# Altium PCB HDLab-v1.PcbDoc (part 1 of 2) (continued)
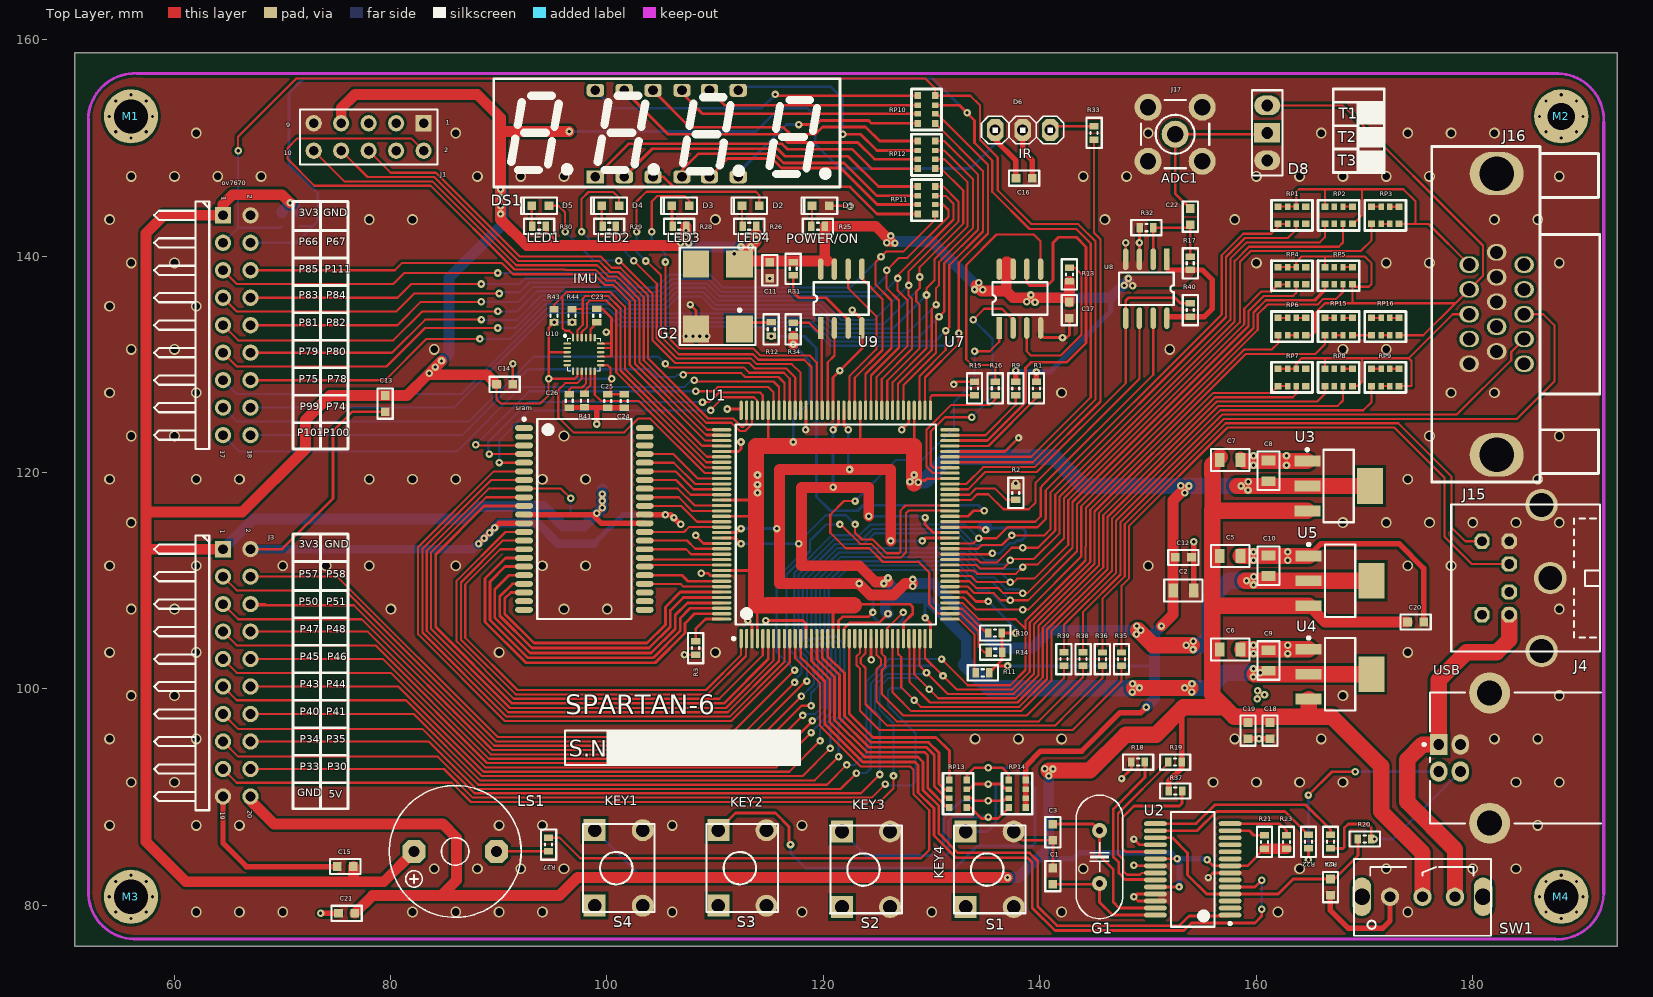
[diagram p0: Top Layer view]
## Nets (pads, with @x,y where several pads share a name; then routed paths per layer and width w, separated by ;. In a path a pad name is that pad's centre, name@x,y a point inside that pad or via, vN(x,y) a via of type N, cw(c..) or ccw(c..) an arc to the next point about the centre after c; other vN are vias at no path point)
+1.2V: C10.1 U1.19 U1.28 U1.52 U1.89 U1.128 U5.2 U5.4 | length 124.2
  Top Layer w0.2: U1.28@125.908,104.639 125.908,105.588 v1(127.381,107.061)
  Top Layer w0.254: U1.128@110.608,114.439 112.026,114.439 v1(112.395,114.808) ; U1.19@121.408,104.639 121.408,106.295 121.761,106.648 124.174,106.648 v1(124.587,107.061) ; U1.89@121.908,125.739 121.908,124.345 v1(122.301,123.952) ; v1@129.159,113.411 v1@129.286,113.538 ; v1(129.159,113.665) 129.433,113.939 U1.52@131.708,113.939
  Top Layer w1: v1(126.238,113.665) 126.238,120.269 v1(122.428,120.269) 115.951,120.269 115.951,109.728 123.271,109.728 124.344,108.655 126.481,108.655 127.554,109.728 v1@128.27,109.728
  Top Layer w1.5: v1@149.098,105.41 150.495,104.013 ; 150.622,104.013 154.051,104.013 ; v1@159.004,109.982 U5.2@164.867,109.982 U5.4@170.667,109.982
  Bottom Layer w0.254: v1(112.395,114.808) v1(115.697,114.808) ; v1(122.301,123.952) 122.301,120.396 v1(122.428,120.269) ; v1(123.317,109.728) 124.587,108.458 v1(124.587,107.061) 124.587,106.68 125.349,105.918 126.873,105.918 127.381,106.426 v1(127.381,107.061) ; v1(126.238,113.665) v1(129.159,113.665)
  Bottom Layer w1: v1@128.27,109.728 130.175,109.728 136.144,103.759 139.319,103.759 140.97,105.41 v1@149.098,105.41
  Bottom Layer w1.5: 154.051,104.013 154.94,104.013 155.702,104.775 155.702,108.204 157.48,109.982 159.639,109.982
  other v1: 154.178,103.632 153.543,104.013 154.208,104.394 148.941,105.029 149.352,105.41 148.971,105.791 128.27,109.474 159.766,109.601 159.131,109.982 128.27,110.109 159.796,110.363
+2.5V: C9.1 U1.20 U1.36 U1.53 U1.90 U1.129 U4.2 U4.4 | length 112
  Top Layer w0.25: U1.129@110.608,113.939 111.867,113.939 v1(112.395,113.411) ; U1.20@121.908,104.639 121.933,104.664 121.933,105.586 122.428,106.081 125.131,106.081 v1(125.984,106.934)
  Top Layer w0.254: v1(120.904,123.952) 121.408,124.456 U1.90@121.408,125.739 ; v1(129.413,106.553) 129.908,106.058 U1.36@129.908,104.639 ; v1(129.413,115.824) 129.54,115.697 129.413,115.57 129.413,115.189 130.163,114.439 U1.53@131.708,114.439
  Top Layer w1: v1(124.206,115.951) 124.206,118.618 v1(120.904,118.618) 117.983,118.618 117.983,111.379 123.317,111.379 124.841,109.855 125.984,109.855 v1@125.857,109.982
  Top Layer w1.5: 148.717,100.076 153.924,100.076 ; v1@159.863,101.346 U4.2@164.867,101.346 U4.4@170.667,101.346
  Bottom Layer w0.25: v1(112.395,113.411) v1(117.729,113.411) ; v1(120.904,118.618) v1(120.904,123.952)
  Bottom Layer w0.254: v1(124.206,115.951) 129.286,115.951 v1(129.413,115.824) ; v1(129.413,106.553) 129.413,108.331 129.476,108.394
  Bottom Layer w1: v1@125.857,109.982 127.444,108.394 ; v1(125.984,106.934) 125.73,107.188 125.73,108.394 127.444,108.394 ; 133.223,102.235 133.223,104.648 129.476,108.394 127.444,108.394
  Bottom Layer w1.5: 133.223,102.235 135.412,100.046 148.687,100.046 148.717,100.076 ; 153.924,100.076 155.702,100.076 157.099,101.473 159.893,101.473
  other v1: 148.56,99.695 154.051,99.695 149.225,100.076 153.416,100.076 148.59,100.457 154.081,100.457 159.736,101.092 160.401,101.473 159.766,101.854 125.603,109.728 125.984,110.236
+3.3V: C2.1 C8.1 C11.1 C12.1 C13.1 C14.1 C15.1 C16.1 C17.1 C24.1 C25.2 D6.3 G2.2 J1.7 J3.1 LS1.+ ov7670.1 R1.2 R9.2 R10.2 R11.2 R13.1 R14.1 R17.2 R25.1 R26.1 R28.1 R29.1 R30.1 R31.1 R34.1 R40.2 R42.1 R43.1 R44.1 R45.2 R46.2 RP14.5 RP14.6 RP14.7 RP14.8 sram.11 sram.33 U1.4 U1.18 U1.31 U1.42 U1.63 U1.76 U1.86 U1.103 U1.122 U1.125 U1.135 U3.2 U3.4 U7.7 U7.8 U8.1 U8.8 U9.7 U9.8 U10.3 U10.8 U10.13 | length 666.2
  Top Layer w0.2: C14.1@89.801,128.143 89.801,126.758 90.194,126.365 93.853,126.365 94.615,127.127 v1(94.615,128.651) 97.016,128.651 97.276,128.911 U10.8@97.276,129.361 ; 94.615,131.064 94.662,131.111 U10.3@96.326,131.111 ; U10.13@99.426,129.911 100.076,129.911 100.33,129.657 C25.2@100.33,127.219
  Top Layer w0.245: v1(94.615,128.651) 94.615,131.064 94.615,133.35 R43.1@95.123,133.858 ; C25.2@100.076,127.219 100.33,127.219 C24.1@101.6,127.219
  Top Layer w0.25: 128.397,119.253 129.413,119.253 129.574,119.414 131.683,119.414 U1.63@131.708,119.439
  Top Layer w0.254: R30.1@94.361,142.748 94.361,142.367 95.377,141.351 100.838,141.351 ; R29.1@100.838,142.748 100.838,141.351 ; 106.426,141.351 100.838,141.351 ; U1.135@110.608,110.939 113.724,110.939 113.792,110.871 ; U1.125@110.608,115.939 113.677,115.939 ; U1.122@110.608,117.439 113.701,117.439 ; 113.792,107.696 113.908,107.58 U1.4@113.908,104.639 ; 114.908,122.655 U1.103@114.908,125.739 ; U1.18@120.908,104.639 120.908,107.573 ; 123.063,107.696 123.19,107.823 128.016,107.823 128.27,107.569 128.27,106.934 127.408,106.072 U1.31@127.408,104.639 ; 123.408,122.646 U1.86@123.408,125.739 ; 128.408,122.439 U1.76@128.408,125.739 ; U1.42@131.708,108.939 133.25,108.939 134.112,108.077 v1(135.255,108.077) ; R11.2@135.483,101.346 R11.2@135.356,101.473 136.017,102.134 ; v1(137.033,102.108) 136.043,102.108 136.017,102.134 ; v1(137.795,105.156) R10.2@136.499,105.156 136.525,105.13 R14.1@136.525,103.378 136.525,102.642 136.017,102.134
  Top Layer w0.5: sram.11@92.342,116.097 98.679,116.097 98.879,115.897 ; v1@99.568,117.995 99.568,116.713 v1(99.072,116.217) 98.879,116.024 98.879,115.897 ; sram.33@103.492,115.297 99.479,115.297 98.879,115.897 ; G2.2@112.236,139.398 G2.2@112.236,139.795 ; 113.792,142.113 R26.1@113.792,142.748 ; 120.396,139.544 U9.7@121.031,139.544 ; D6.3@135.89,151.638 135.89,150.749 137.807,148.832 C16.1@137.807,147.193 ; R9.2@137.795,128.371 v1(137.795,129.413) ; RP14.5@138.722,89.022 RP14.6@138.722,89.897 RP14.7@138.722,90.697 RP14.8@138.722,91.572 138.722,92.875 140.081,94.234 143.891,94.234 147.447,97.79 149.352,97.79 v1(149.86,98.298) ; R1.2@139.7,128.371 v1(139.7,129.286) ; U8.8@151.765,134.26 151.897,134.392 R40.2@153.924,134.392 155.22,134.392 155.956,135.128 155.956,137.795 155.041,138.71 R17.2@153.924,138.71 151.918,138.71 151.765,138.862 U8.1@151.765,139.7
  Top Layer w1: J3.1@64.516,112.903 57.404,112.903 ; v1(70.739,144.907) 69.977,145.669 65.405,145.669 64.516,144.78 ov7670.1@64.516,143.764 59.055,143.764 57.404,142.113 57.404,116.459 ; J1.7@75.438,152.273 75.438,153.67 76.708,154.94 88.011,154.94 90.17,152.781 90.17,143.383 92.583,140.97 106.495,140.97 ; C15.1@76.569,83.566 76.569,82.308 76.708,82.169 ; LS1.+@82.169,84.963 79.375,82.169 76.708,82.169 ; v1(83.578,129.171) v1@83.439,129.032 ; v1@83.82,129.413 v1(84.709,130.302) ; C14.1@89.801,128.143 88.912,129.032 v1@83.439,129.032 ; 90.17,151.511 v1(96.52,151.511) ; v1@107.315,141.602 R28.1@107.315,142.748 ; G2.2@112.236,139.398 112.382,139.544 U9.8@119.761,139.544 ; G2.2@112.236,139.795 v1(113.284,140.843) 113.792,141.351 113.792,142.113 ; v1(117.221,131.826) R34.1@117.221,132.588 ; 120.396,139.544 120.142,139.798 R25.1@120.142,142.748 124.841,142.748 126.238,141.351 ; 134.112,137.287 134.62,136.779 136.906,136.779 ; 137.033,139.446 136.906,139.446 136.906,136.779 ; C17.1@142.494,136.144 137.541,136.144 136.906,136.779 ; C17.1@142.748,135.751 R13.1@142.748,137.668 ; v1(151.257,105.791) 152.339,106.873 C2.1@152.339,109.093 152.339,117.414 v1@153.289,118.364 ; 57.404,112.903 57.404,85.852 61.087,82.169 76.708,82.169 ; 57.404,112.903 57.404,116.459 ; 57.404,116.459 57.531,116.332 66.294,116.332 72.136,122.174 72.136,124.841 74.41,127.115 C13.1@79.502,127.115 81.522,127.115 v1@83.439,129.032
  Top Layer w1.5: 122.809,107.725 114.837,107.725 114.808,107.696 113.792,107.696 113.792,110.871 113.792,122.428 128.397,122.428 128.397,118.999 ; 158.242,118.745 U3.2@164.74,118.745 U3.4@170.54,118.745
  Bottom Layer w0.245: v1(94.615,128.651) v1(100.457,128.651) ; v1(95.135,133.87) v1(96.786,133.87)
  Bottom Layer w0.254: v1(117.221,122.809) 117.221,124.968 118.745,126.492 118.745,130.302 v1(117.221,131.826) ; v1(135.255,108.077) 137.795,105.537 v1(137.795,105.156) ; v1(137.033,102.108) 150.495,102.108
  Bottom Layer w0.255: v1(96.52,151.511) 113.792,151.511 115.951,153.67 118.491,153.67 119.253,152.908 119.253,150.368 121.539,148.082 133.604,148.082 135.89,150.368 D6.3@135.89,151.638
  Bottom Layer w0.5: v1@137.668,129.286 v1(139.7,129.286) 140.97,129.286 146.558,134.874 146.558,136.144
  Bottom Layer w1: J3.1@64.516,112.903 67.31,115.697 86.868,115.697 88.011,116.84 94.144,116.84 95.932,115.052 97.907,115.052 v1(99.072,116.217) 99.568,116.713 99.568,118.491 ; R45.2@69.977,143.992 69.977,144.145 v1(70.739,144.907) 70.739,144.881 R46.2@71.628,143.992 ; v1(83.578,129.171) v1(84.709,130.302) 85.407,131 85.407,137.986 90.297,142.875 v1@90.297,146.304 ; v1(106.807,141.224) 107.188,140.843 113.157,140.843 v1(113.792,141.478) ; v1@107.315,141.224 107.315,142.748 ; 126.238,141.351 130.048,141.351 134.112,137.287 ; 139.446,136.144 146.558,136.144 v1@148.209,137.795 ; v1(149.86,98.298) 150.622,99.06 150.622,105.156 v1(151.257,105.791)
  Bottom Layer w1.5: 128.397,119.253 129.413,119.253 131.572,121.412 141.351,121.412 144.018,118.745 159.131,118.745
  other v1: 99.58,116.725 99.58,117.36 99.58,117.995 113.919,118.11 153.416,118.11 159.258,118.364 153.797,118.745 158.623,118.745 153.035,118.775 113.919,118.872 128.778,119.096 128.016,119.126 159.288,119.126 113.919,119.761 128.397,119.761 84.142,129.735 139.573,135.733 138.811,135.763 139.192,136.398 134.747,136.876 133.985,136.906 148.59,137.257 147.828,137.287 134.366,137.541 148.209,137.922 111.76,140.208 112.395,140.843 107.569,141.194 126.619,141.194 125.857,141.224 107.315,141.732 126.238,141.859 107.315,142.367 90.17,143.891 90.17,144.653 90.17,145.415 90.17,146.177
+5V: C5.1 C6.1 C7.1 C18.1 C19.1 C20.1 C21.1 J3.20 R19.2 R21.1 R23.1 R37.2 SW1.2 U2.8 U2.20 U2.24 U3.3 U4.3 U5.3 | length 242
  Top Layer w0.254: U2.24@150.703,81.68 v1(152.889,81.68) ; U2.20@150.703,84.28 v1(152.702,84.28) ; v1(155.48,84.201) 156.05,83.63 U2.8@157.603,83.63 159.195,83.63 R21.1@160.782,85.217
  Top Layer w0.5: R37.2@151.918,90.551 151.918,91.466 153.136,92.684 R19.2@153.136,93.218 153.136,98.145
  Top Layer w1: J3.20@67.056,90.043 67.056,89.662 69.215,87.503 84.836,87.503 86.106,86.233 86.106,82.296 84.709,80.899 ; C21.1@76.696,79.248 78.347,80.899 84.709,80.899 ; v1(137.033,82.55) 97.282,82.55 95.631,80.899 84.709,80.899 ; R21.1@160.782,85.217 R23.1@162.814,85.217 ; U5.3@164.867,107.682 166.377,106.172 C20.1@174.002,106.172
  Top Layer w1.5: 140.843,92.456 144.653,92.456 147.955,95.758 150.749,95.758 153.136,98.145 153.289,98.298 157.099,98.298 ; C7.1@156.657,121.412 155.956,120.711 155.956,119.78 156.009,119.727 156.009,116.639 155.956,116.586 ; U3.3@164.74,116.445 156.097,116.445 155.956,116.586 ; U4.3@164.867,99.046 164.867,97.409 ; U5.3@164.867,107.682 156.323,107.682 155.956,107.315 ; SW1.2@175.387,80.772 175.387,84.836 171.577,88.646 171.577,92.837 167.005,97.409 164.867,97.409 ; 155.956,107.315 155.956,99.441 157.099,98.298 ; 155.956,107.315 155.956,116.586 ; 157.099,98.298 157.988,97.409 164.867,97.409
  Bottom Layer w0.5: 139.779,84.28 143.081,84.28 143.637,84.836 152.146,84.836 v1(152.702,84.28) 155.4,84.28 v1(155.48,84.201) ; v1(152.889,81.68) v1@152.889,84.093
  Bottom Layer w1: v1(137.033,82.55) 138.049,82.55 139.779,84.28 140.843,85.344 140.843,92.456
  other v1: 140.843,91.948 141.224,92.583 140.462,92.613
+5V_USB: J4.1 J15.4 SW1.3 | length 34.3
  Top Layer w1.5: SW1.3@178.387,80.772 178.387,85.138 173.97,89.555 173.97,93.432 175.387,94.849 J4.1@176.887,94.849 176.887,100.814 179.451,103.378 182.245,103.378 183.397,104.53 J15.4@183.397,106.836
A_IN: C22.1 D8.2 J17.1 | length 16
  Top Layer w0.254: C22.1@153.924,144.387 152.527,145.784 J17.1@152.527,151.257 160.909,151.257 D8.2@161.036,151.384
ADCLK: U1.55 U8.7 | length 31.3
  Top Layer w0.2: U1.55@131.708,115.439 139.596,115.439 140.108,115.951 140.108,118.587 140.208,118.687 140.208,118.745 150.495,129.032 U8.7@150.495,133.985
  Top Layer w0.254: U1.55@131.708,115.439 U1.55@131.731,115.462 ; U8.7@150.495,133.985 U8.7@150.495,134.26
ADCSN: R40.1 U1.61 U8.5 | length 34.2
  Top Layer w0.2: U1.61@131.708,118.439 133.388,118.439 134.98,120.031 139.737,120.031 147.955,128.249 U8.5@147.955,134.26
  Top Layer w0.254: U8.5@147.955,134.26 147.955,135.89 148.209,136.144 152.527,136.144 153.035,135.636 R40.1@153.924,135.636
ADDAT: U1.59 U8.6 | length 30
  Top Layer w0.2: U1.59@131.708,117.439 133.672,117.439 134.216,117.983 135.255,117.983 136.652,116.586 138.992,116.586 139.627,117.221 139.627,119.053 149.225,128.651 U8.6@149.225,134.26
BLUE: J16.3 RP7.6 RP7.7 RP7.8 RP8.4 RP8.8 RP9.4 | length 27.9
  Top Layer w0.2: RP7.8@162.047,129.578 RP7.7@162.922,129.578 RP7.6@163.722,129.578 163.722,130.067 164.211,130.556 174.117,130.556 ; RP8.8@166.365,129.578 166.365,130.551 ; RP8.4@168.915,127.978 169.38,127.978 169.799,128.397 169.799,130.429 ; RP9.4@173.233,127.978 174.371,127.978 174.371,130.302 174.117,130.556 ; J16.3@179.705,134.62 178.181,134.62 174.117,130.556
BP1: R27.1 U1.11 | length 63.7
  Top Layer w0.2: R27.1@94.615,86.233 95.631,86.233 97.536,84.328 129.032,84.328 129.802,85.098 129.802,88.782 128.332,90.252 128.332,92.521 128.046,92.807 123.47,92.807 119.711,96.566 119.711,100.522 117.408,102.825 U1.11@117.408,104.639
CCLK: U1.70 U7.6 | length 38.9
  Top Layer w0.254: U1.70@131.708,122.939 135.162,122.939 138.684,126.461 138.684,129.667 139.192,130.175 142.494,130.175 144.29,131.971 144.29,140.843 143.401,141.732 141.732,141.732 141.224,141.224 141.224,137.795 140.716,137.287 139.065,137.287 138.811,137.541 U7.6@138.811,139.544
CLK: R12.2 U1.56 | length 38.2
  Top Layer w0.254: U1.56@131.708,115.939 133.35,115.939 133.87,116.459 v1(134.874,116.459)
  Bottom Layer w0.254: v1(115.189,132.588) 118.237,132.588 119.38,131.445 119.38,117.729 120.65,116.459 123.19,116.459 123.698,116.967 134.366,116.967 v1(134.874,116.459)
CSO_B: R14.2 U1.38 U7.1 | length 49.4
  Top Layer w0.2: v1(122.936,117.348) 121.92,117.348 120.65,116.078 120.65,114.427 122.085,112.992 124.244,112.992 125.514,111.722 128.74,111.722 128.778,111.76 129.794,110.744 129.794,107.823 130.678,106.939 U1.38@131.708,106.939 132.722,106.939 134.366,105.295 134.366,103.886 134.874,103.378 R14.2@135.281,103.378 ; v1(133.985,131.191) 135.382,131.191 136.271,132.08 U7.1@136.271,132.744
  Bottom Layer w0.2: v1(122.936,117.348) 126.746,121.158 129.159,121.158 132.08,124.079 132.08,126.492 133.985,128.397 v1(133.985,131.191)
DIN: U1.65 U7.2 | length 25.9
  Top Layer w0.2: U1.65@131.708,120.439 130.19,120.439 129.94,120.689 129.94,123.786 131.249,125.095 v1(133.731,125.095) v1@133.858,124.968 ; v1(133.858,134.112) 134.874,135.128 136.525,135.128 137.541,134.112 U7.2@137.541,132.744
  Bottom Layer w0.2: v1(133.731,125.095) 135.636,127 135.636,132.334 v1(133.858,134.112)
DNC: U1.22
DONE: R9.1 U1.71 | length 8.1
  Top Layer w0.2: U1.71@131.708,123.439 134.996,123.439 137.795,126.238 R9.1@137.795,127.127
DS_A: ov7670.12 RP12.3 U1.80 | length 96.1
  Top Layer w0.2: ov7670.12@67.056,131.064 80.137,131.064 83.197,134.124 v1(88.404,134.124) ; U1.80@126.408,125.739 126.408,128.339 129.54,131.471 v1(129.54,136.398) 129.54,137.033 130.281,137.774 130.281,139.705 133.341,142.765 133.341,146.821 131.21,148.952 RP12.3@130.34,148.952
  Bottom Layer w0.2: v1@88.392,134.112 88.404,134.1 91.706,134.1 93.952,136.347 100.612,136.347 101.882,135.077 105.41,135.077 106.604,136.271 108.712,136.271 109.906,135.077 119.535,135.077 121.313,133.299 126.441,133.299 v1(129.54,136.398)
DS_B: ov7670.11 RP12.2 U1.79 | length 100.2
  Top Layer w0.2: ov7670.11@64.516,131.064 65.786,129.794 79.629,129.794 83.185,133.35 v1(89.916,133.35) ; U1.79@126.908,125.739 126.908,128.197 130.029,131.318 130.029,135.109 v1(130.429,135.509) 130.429,137.035 130.681,137.287 130.681,139.413 130.937,139.669 130.937,139.707 133.849,142.619 133.849,147.075 131.172,149.752 RP12.2@130.34,149.752
  Bottom Layer w0.2: v1(89.916,133.35) 91.521,133.35 94.118,135.947 100.446,135.947 101.716,134.677 119.369,134.677 121.147,132.899 127.819,132.899 v1(130.429,135.509)
DS_C: ov7670.7 RP11.3 U1.83 | length 91.1
  Top Layer w0.2: ov7670.7@64.516,136.144 65.786,134.874 80.518,134.874 82.181,136.537 v1(90.055,136.537) ; U1.83@124.908,125.739 124.908,128.807 127.8,131.699 127.8,135.89 126.873,136.817 126.873,138.223 132.033,143.383 132.033,144.846 131.318,145.561 RP11.3@130.34,145.561
  Bottom Layer w0.2: v1@89.916,136.652 91.948,136.652 92.843,137.547 101.109,137.547 102.379,136.277 104.913,136.277 106.107,137.471 109.209,137.471 110.403,136.277 125.228,136.277 v1(126.885,137.934)
DS_D: ov7670.10 RP11.4 U1.82 | length 91.2
  Top Layer w0.2: ov7670.10@67.056,133.604 80.645,133.604 82.804,135.763 v1(88.392,135.763) ; U1.82@125.408,125.739 125.408,128.623 128.2,131.415 128.2,136.056 127.889,136.367 v1(127.889,137.287) 127.889,138.585 132.487,143.183 132.487,145.034 131.085,146.436 RP11.4@130.34,146.436
  Bottom Layer w0.2: v1@88.265,135.763 v1(88.392,135.763) 91.821,135.763 93.205,137.147 100.943,137.147 102.213,135.877 105.079,135.877 106.273,137.071 109.043,137.071 110.237,135.877 119.866,135.877 121.644,134.099 124.701,134.099 v1(127.889,137.287)
DS_DP: ov7670.5 RP11.1 U1.85 | length 87.6
  Top Layer w0.2: ov7670.5@64.516,138.684 65.786,137.414 80.264,137.414 81.28,138.43 v1(89.916,138.43) ; U1.85@123.908,125.739 123.908,129.101 126.309,131.501 126.309,135.89 124.841,137.358 124.841,139.446 v1(125.334,139.939) 125.803,140.408 127.381,140.408 130.34,143.367 RP11.1@130.34,143.886
  Bottom Layer w0.2: v1(89.916,138.43) 90.043,138.303 90.043,138.43 101.357,138.43 102.71,137.077 104.582,137.077 105.776,138.271 109.54,138.271 110.734,137.077 122.472,137.077 v1(125.334,139.939)
DS_E: ov7670.9 RP12.4 U1.81 | length 98.8
  Top Layer w0.2: ov7670.9@64.516,133.604 65.913,132.207 80.264,132.207 82.931,134.874 90.297,134.874 ; U1.81@125.908,125.739 125.908,128.481 128.905,131.478 128.905,135.509 128.6,135.814 128.6,136.728 128.917,137.045 v1(128.917,138.061) ; v1@128.905,138.061 128.905,138.959 132.941,142.995 132.941,146.05 130.914,148.077 RP12.4@130.34,148.077
  Bottom Layer w0.2: v1@89.928,134.874 91.694,134.874 93.567,136.747 100.777,136.747 102.047,135.477 105.244,135.477 106.438,136.671 108.878,136.671 110.072,135.477 119.7,135.477 121.478,133.699 125.571,133.699 128.917,137.045 v1(128.917,138.061)
  other v1: 89.928,134.886
DS_EN1: ov7670.3 R45.1 RP10.4 U1.66 | length 136.7
  Top Layer w0.2: v1(65.913,149.733) 65.913,151.052 71.276,156.415 129.413,156.415 130.34,155.488 RP10.4@130.34,154.818 133.599,154.818 134.488,153.929 134.488,150.749 136.128,149.109 136.128,146.073 139.253,142.948 143.571,142.948 145.17,141.349 145.17,126.748 139.361,120.939 U1.66@131.708,120.939
  Bottom Layer w0.2: ov7670.3@64.516,141.224 65.913,142.621 ; v1(65.913,149.733) 65.913,142.621 ; R45.1@69.977,142.748 69.85,142.621 65.913,142.621
DS_EN2: ov7670.16 RP10.2 U1.74 | length 102.8
  Top Layer w0.2: U1.74@129.408,125.739 129.408,128.771 132.526,131.888 132.526,139.381 135.22,142.076 135.22,148.437 RP10.2@130.514,153.143
  Top Layer w0.254: RP10.2@130.34,153.143 RP10.2@130.514,153.143
  Bottom Layer w0.2: ov7670.16@67.056,125.984 85.852,125.984 90.297,130.429 94.615,134.747 99.949,134.747 101.219,133.477 118.872,133.477 120.65,131.699 131.383,131.699 v1(132.538,132.854)
DS_EN3: ov7670.4 R46.1 RP10.3 U1.67 | length 137.7
  Top Layer w0.2: U1.67@131.708,121.439 139.219,121.439 144.716,126.936 144.716,141.16 143.383,142.494 139.065,142.494 135.62,145.939 135.62,148.837 133.985,150.472
  Top Layer w0.254: RP10.3@130.34,153.943 132.569,153.943 133.985,152.527 133.985,150.472
  Bottom Layer w0.2: ov7670.4@67.056,141.224 70.612,141.224
  Bottom Layer w0.254: 70.612,141.224 71.247,141.224 72.771,142.748 ; R46.1@71.628,142.748 72.771,142.748 ; v1(133.289,153.247) 130.148,156.388 71.933,156.388 70.612,155.067 70.612,148.463 73.279,145.796 73.279,143.256 72.771,142.748
DS_EN4: ov7670.13 RP10.1 U1.75 | length 103.1
  Top Layer w0.2: U1.75@128.908,125.739 128.908,128.913 131.318,131.323 131.318,133.096 v1(131.33,133.108) 131.643,133.421 131.643,139.141 134.766,142.264 134.766,147.842 RP10.1@130.34,152.268
  Bottom Layer w0.2: ov7670.13@64.516,128.524 65.786,127.254 86.556,127.254 90.874,131.572 94.449,135.147 100.115,135.147 101.385,133.877 119.038,133.877 120.816,132.099 130.321,132.099 v1(131.33,133.108)
DS_F: ov7670.14 RP12.1 U1.78 | length 98.5
  Top Layer w0.2: ov7670.14@67.056,128.524 79.502,128.524 83.312,132.334 v1(88.265,132.334) ; U1.78@127.408,125.739 127.408,128.055 130.429,131.076 130.429,134.112 v1(130.695,134.378) 131.189,134.872 131.189,139.329 134.312,142.452 134.312,147.501 131.186,150.627 RP12.1@130.34,150.627
  Bottom Layer w0.2: v1(88.265,132.334) 91.071,132.334 94.284,135.547 100.28,135.547 101.55,134.277 119.203,134.277 120.981,132.499 128.816,132.499 v1(130.695,134.378)
DS_G: ov7670.8 RP11.2 U1.84 | length 86.7
  Top Layer w0.2: ov7670.8@67.056,136.144 80.645,136.144 81.915,137.414 v1(88.392,137.414) ; U1.84@124.408,125.739 124.408,128.959 127,131.551 127,135.89 125.857,137.033 v1(125.857,138.684) 127,139.827 127.762,139.827 131.572,143.637 131.572,144.253 131.064,144.761 RP11.2@130.34,144.761
  Bottom Layer w0.2: v1@88.265,137.287 v1(88.392,137.414) 91.923,137.414 92.456,137.947 101.274,137.947 102.544,136.677 104.747,136.677 105.941,137.871 109.375,137.871 110.569,136.677 124.333,136.677 125.857,138.201 v1(125.857,138.684)
DSA: DS1.11 RP12.6 | length 29.8
  Top Layer w0.254: DS1.11@101.6,155.321 105.664,151.257 115.951,151.257 116.713,150.495 123.19,150.495 124.733,148.952 RP12.6@128.74,148.952
DSB: DS1.7 RP12.7 | length 22.2
  Top Layer w0.254: v1(121.793,151.257) 123.444,151.257 124.949,149.752 RP12.7@128.74,149.752
  Bottom Layer w0.254: DS1.7@111.633,155.321 111.316,155.638 120.713,155.638 121.793,154.559 v1(121.793,151.257)
DSC: DS1.4 RP11.6 | length 24.7
  Top Layer w0.254: DS1.4@106.934,147.32 106.934,147.936 108.458,149.46 115.462,149.46 116.332,148.59 121.92,148.59 124.949,145.561 RP11.6@128.74,145.561
DSD: DS1.2 RP11.5 | length 29.7
  Top Layer w0.254: DS1.2@101.6,147.32 104.194,149.914 115.77,149.914 116.459,149.225 122.301,149.225 125.09,146.436 RP11.5@128.74,146.436
DSDP: DS1.3 RP11.8 | length 25.9
  Top Layer w0.254: DS1.3@104.267,147.32 105.247,147.32 106.174,146.393 122.466,146.393 124.973,143.886 RP11.8@128.74,143.886
DSE: DS1.1 RP12.5 | length 32
  Top Layer w0.254: DS1.1@98.933,147.32 101.981,150.368 116.198,150.368 116.525,150.041 116.532,150.041 116.713,149.86 122.682,149.86 124.465,148.077 RP12.5@128.74,148.077
DSEN1: DS1.12 RP10.5 | length 31.1
  Top Layer w0.254: v1(115.57,154.94) 115.692,154.818 RP10.5@128.74,154.818
  Bottom Layer w0.254: DS1.12@98.933,155.321 100.584,153.67 114.3,153.67 v1(115.57,154.94)
DSEN2: DS1.9 RP10.7 | length 22.9
  Top Layer w0.254: DS1.9@106.934,155.321 106.934,155.067 108.858,153.143 RP10.7@128.74,153.143
DSEN3: DS1.8 RP10.6 | length 19.8
  Top Layer w0.254: DS1.8@109.474,155.321 110.852,153.943 RP10.6@128.74,153.943
DSEN4: DS1.6 RP10.8 | length 19.1
  Top Layer w0.254: v1(117.729,152.146) 119.38,152.146 119.761,152.527 124.206,152.527 124.465,152.268 RP10.8@128.74,152.268
  Bottom Layer w0.254: DS1.6@112.141,147.32 112.141,147.701 116.586,152.146 v1(117.729,152.146)
DSF: DS1.10 RP12.8 | length 27
  Top Layer w0.254: DS1.10@104.267,155.321 107.696,151.892 116.332,151.892 116.967,151.257 119.253,151.257 119.93,151.934 123.91,151.934 125.217,150.627 RP12.8@128.74,150.627
DSG: DS1.5 RP11.7 | length 21.7
  Top Layer w0.254: DS1.5@109.474,147.32 111.16,149.006 115.274,149.006 116.144,148.136 121.612,148.136 124.987,144.761 RP11.7@128.74,144.761
EXT+: J3.4 U1.58 | length 93.3
  Top Layer w0.2: J3.4@67.056,110.363 75.088,110.363 89.916,95.535 111.156,95.535 v1(117.348,101.727) ; v1(122.936,115.189) 122.936,114.427 123.571,113.792 124.587,113.792 125.857,112.522 127,112.522 127.127,112.649 127.127,116.459 127.607,116.939 U1.58@131.708,116.939
  Bottom Layer w0.2: v1(117.348,101.727) 115.697,103.378 115.697,110.221 118.379,112.903 118.379,114.188 120.223,116.032 122.093,116.032 v1(122.936,115.189)
EXT-: J3.3 U1.57 | length 94.9
  Top Layer w0.2: J3.3@64.516,110.363 65.786,109.093 75.792,109.093 89.75,95.135 111.899,95.135 v1(117.348,100.584) ; v1@121.608,115.189 123.405,113.392 124.421,113.392 125.691,112.122 127.166,112.122 127.635,112.591 127.635,116.205 127.904,116.474 131.673,116.474 U1.57@131.708,116.439
  Bottom Layer w0.2: v1(117.348,100.584) 117.348,100.808 117.998,101.458 117.998,102.489 116.601,103.886 116.601,110.559 118.779,112.737 118.779,113.699 120.269,115.189 v1(121.539,115.189)
F_TCK: J1.10 U1.109 | length 51.8
  Top Layer w0.2: J1.10@72.898,149.733 75.73,146.901 83.87,146.901 91.617,139.154 99.095,139.154 100.126,138.123 100.903,138.123 103.01,136.016 103.01,130.193 109.264,123.939 U1.109@110.608,123.939
F_TDI: J1.2 U1.110 | length 70
  Top Layer w0.2: J1.2@83.058,149.733 81.915,150.876 71.374,150.876 70.485,149.987 70.485,148.971 72.955,146.501 83.704,146.501 91.451,138.754 96.139,138.754 ; 96.139,138.717 98.966,138.717 99.96,137.723 100.737,137.723 102.61,135.85 102.61,130.027 109.148,123.489 ; 109.148,123.489 109.198,123.439 U1.110@110.608,123.439 110.558,123.489 109.148,123.489
F_TDO: J1.8 U1.106 | length 53.7
  Top Layer w0.2: J1.8@75.438,149.733 77.87,147.301 84.035,147.301 91.782,139.554 99.26,139.554 100.291,138.523 101.068,138.523 103.41,136.181 103.41,130.358 109.181,124.587 111.506,124.587 112.268,123.825 112.776,123.825 113.408,124.457 U1.106@113.408,125.739
F_TMS: J1.6 U1.107 | length 50.2
  Top Layer w0.2: J1.6@77.978,149.733 80.01,147.701 84.201,147.701 91.948,139.954 99.426,139.954 100.457,138.923 101.234,138.923 103.81,136.347 103.81,130.524 109.347,124.987 111.672,124.987 112.434,124.225 112.61,124.225 112.908,124.523 U1.107@112.908,125.739
FLASH_CLK: U1.88 U9.6 | length 15.9
  Top Layer w0.2: U9.6@122.301,139.544 122.301,137.033 124.904,134.429 124.904,131.381 122.408,128.885 U1.88@122.408,125.739
FLASH_CS: R34.2 U1.93 U9.1 | length 10.1
  Top Layer w0.2: R34.2@117.221,133.832 118.673,133.832 119.761,132.744 119.858,132.647 119.858,125.789 U1.93@119.908,125.739
FLASH_DI: U1.87 U9.5 | length 15.7
  Top Layer w0.2: U1.87@122.908,125.739 122.908,128.743 125.476,131.311 125.476,136.017 123.571,137.922 U9.5@123.571,139.192
  Top Layer w0.254: U9.5@123.571,139.192 U9.5@123.571,139.544
FLASH_DO: U1.92 U9.2 | length 7.3
  Top Layer w0.2: U1.92@120.408,125.739 120.408,130.187 121.031,130.81 U9.2@121.031,132.744